# Altium PCB NFC-Reader.PcbDoc (part 2 of 3) (continued)
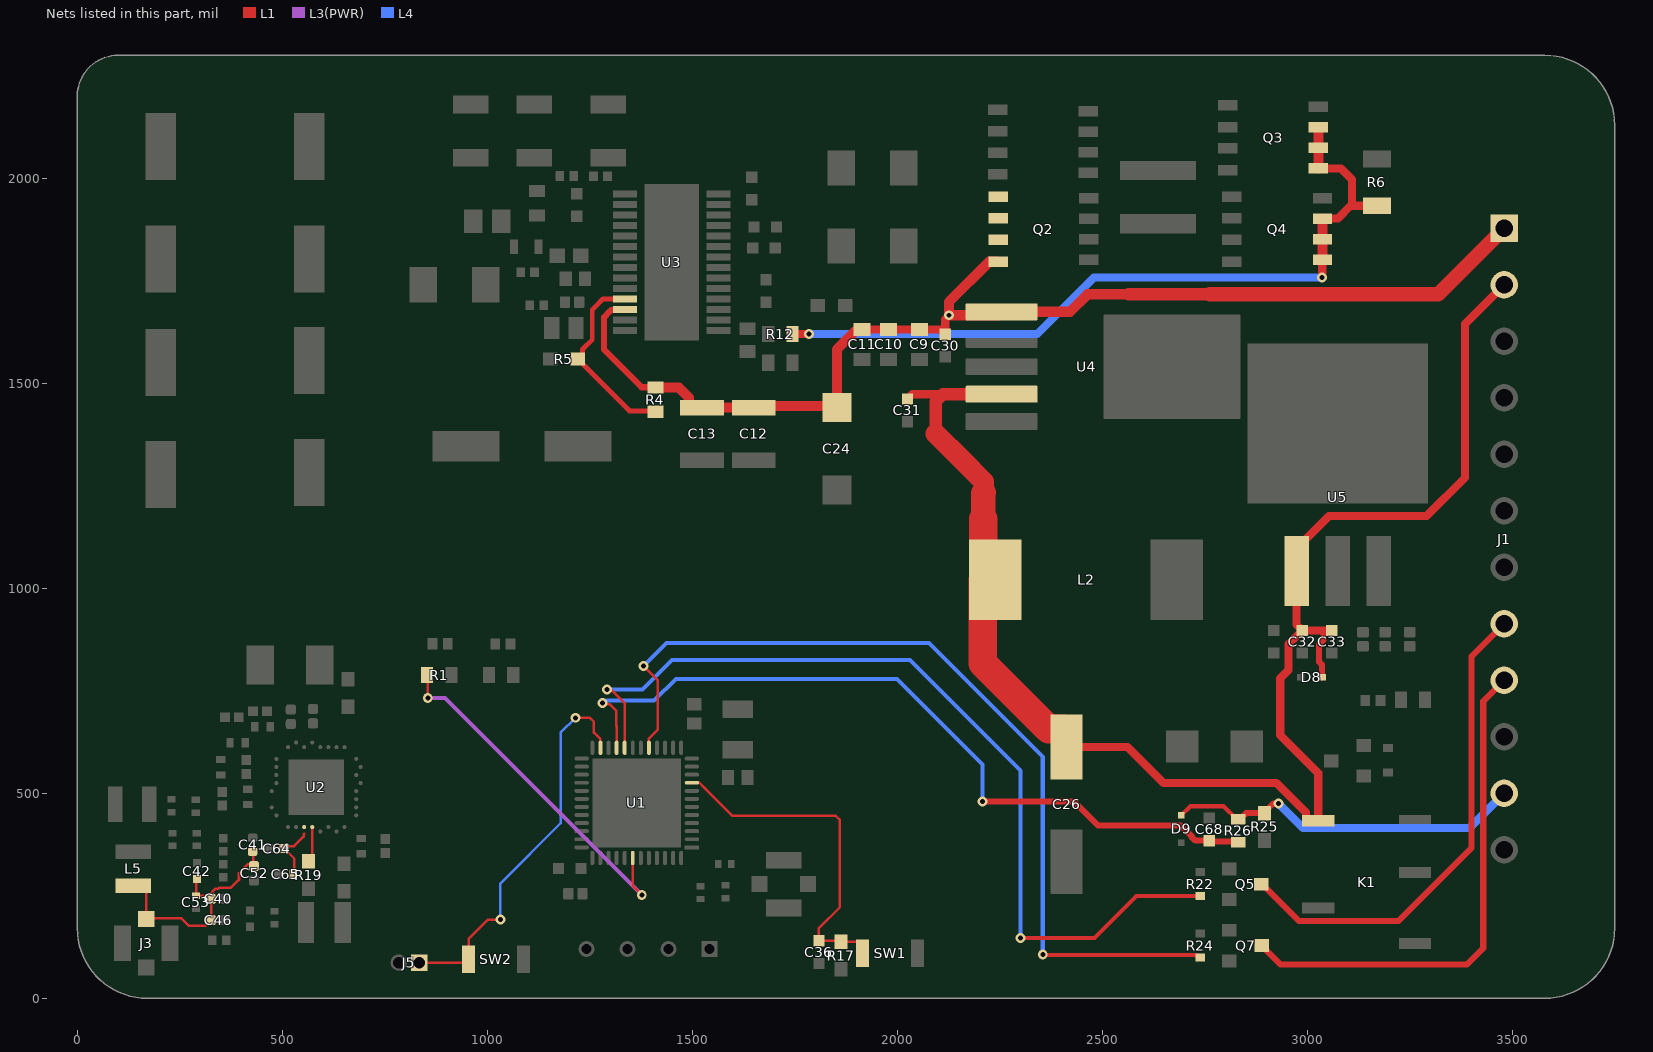
[diagram p4: the nets of this part, all layers, seen from the top]
## Part data (continued)
C69 C70: library part C0603C220J5GACTU, "22 pF ±5% 50V Ceramic Capacitor C0G, NP0 0603 (1608 Metric)", Case Code (Imperial)=0603, Dielectric=C0G, Dielectric Material=Ceramic, LCSC PN=C2167297, Manufacturer=KEMET, Max Operating Temperature=125°C, Min Operating Temperature=-55°C, Temperature Coefficient=30ppm/°C, Tolerance=5%, Voltage=50V, Case/Package=0603, Category="Ceramic Capacitors", China RoHS=Compliant, ComponentLink1Description=https://datasheet.octopart.com:443/C0603C220J5GACTU-KEMET-datasheet-178132257.pdf?src-supplier=IHS, ComponentLink1URL=https://datasheet.octopart.com:443/C0603C220J5GACTU-KEMET-datasheet-178132257.pdf?src-supplier=IHS, ComponentLink2Description=https://datasheet.octopart.com:443/C0603C220J5GAC7867-KEMET-datasheet-184792853.pdf?src-supplier=IHS, ComponentLink2URL=https://datasheet.octopart.com:443/C0603C220J5GAC7867-KEMET-datasheet-184792853.pdf?src-supplier=IHS, ComponentLink3Description=https://datasheet.octopart.com:443/C0603C220J5GACTU-KEMET-datasheet-68331921.pdf?src-supplier=Upverter, ComponentLink3URL=https://datasheet.octopart.com:443/C0603C220J5GACTU-KEMET-datasheet-68331921.pdf?src-supplier=Upverter, ComponentLink4Description=https://datasheet.octopart.com:443/C0603C220J5GACTU-KEMET-datasheet-137357764.pdf?src-supplier=Upverter, ComponentLink4URL=https://datasheet.octopart.com:443/C0603C220J5GACTU-KEMET-datasheet-137357764.pdf?src-supplier=Upverter, ComponentLink5Description=https://datasheet.octopart.com:443/C0603C220J5GACTU-Kemet-datasheet-5314449.pdf?src-supplier=Newark, ComponentLink5URL=https://datasheet.octopart.com:443/C0603C220J5GACTU-Kemet-datasheet-5314449.pdf?src-supplier=Newark, ComponentLink6Description=https://datasheet.octopart.com:443/C0603C220J5GACTU-Kemet-datasheet-10282724.pdf?src-supplier=Newark, ComponentLink6URL=https://datasheet.octopart.com:443/C0603C220J5GACTU-Kemet-datasheet-10282724.pdf?src-supplier=Newark, ComponentLink7Description=https://datasheet.octopart.com:443/C0603C220J5GACTU-KEMET-datasheet-176142189.pdf?src-supplier=Newark, ComponentLink7URL=https://datasheet.octopart.com:443/C0603C220J5GACTU-KEMET-datasheet-176142189.pdf?src-supplier=Newark, ComponentLink8Description=https://datasheet.octopart.com:443/C0603C220J5GACTU-KEMET-datasheet-149521956.pdf?src-supplier=Farnell, ComponentLink8URL=https://datasheet.octopart.com:443/C0603C220J5GACTU-KEMET-datasheet-149521956.pdf?src-supplier=Farnell, ComponentLink9Description=https://datasheet.octopart.com:443/C0603C220J5GACTU-KEMET-datasheet-101575729.pdf?src-supplier=Farnell, ComponentLink9URL=https://datasheet.octopart.com:443/C0603C220J5GACTU-KEMET-datasheet-101575729.pdf?src-supplier=Farnell, ComponentLink10Description=https://datasheet.octopart.com:443/C0603C220J5GACTU-Kemet-datasheet-10540709.pdf?src-supplier=Farnell, ComponentLink10URL=https://datasheet.octopart.com:443/C0603C220J5GACTU-Kemet-datasheet-10540709.pdf?src-supplier=Farnell, ComponentLink11Description=https://datasheet.octopart.com:443/C0603C220J5GACTU-KEMET-datasheet-176142187.pdf?src-supplier=element14+APAC, ComponentLink11URL=https://datasheet.octopart.com:443/C0603C220J5GACTU-KEMET-datasheet-176142187.pdf?src-supplier=element14+APAC, ComponentLink12Description=https://datasheet.octopart.com:443/C0603C220J5GACTU-KEMET-datasheet-176142144.pdf?src-supplier=element14+APAC, ComponentLink12URL=https://datasheet.octopart.com:443/C0603C220J5GACTU-KEMET-datasheet-176142144.pdf?src-supplier=element14+APAC, ComponentLink13Description=https://datasheet.octopart.com:443/C0603C220J5GACTU-Kemet-datasheet-22084244.pdf?src-supplier=element14+APAC, ComponentLink13URL=https://datasheet.octopart.com:443/C0603C220J5GACTU-Kemet-datasheet-22084244.pdf?src-supplier=element14+APAC, ComponentLink14Description=https://datasheet.octopart.com:443/C0603C220J5GACTU-Kemet-datasheet-48952580.pdf?src-supplier=element14+APAC, ComponentLink14URL=https://datasheet.octopart.com:443/C0603C220J5GACTU-Kemet-datasheet-48952580.pdf?src-supplier=element14+APAC, ComponentLink15Description=https://datasheet.octopart.com:443/C0603C220J5GACTU-KEMET-datasheet-157246123.pdf?src-supplier=Electro+Sonic, ComponentLink15URL=https://datasheet.octopart.com:443/C0603C220J5GACTU-KEMET-datasheet-157246123.pdf?src-supplier=Electro+Sonic, ComponentLink16Description=https://datasheet.octopart.com:443/C0603C220J5GACTU-KEMET-datasheet-41232428.pdf?src-supplier=Electro+Sonic, ComponentLink16URL=https://datasheet.octopart.com:443/C0603C220J5GACTU-KEMET-datasheet-41232428.pdf?src-supplier=Electro+Sonic, ComponentLink17Description=https://datasheet.octopart.com:443/C0603C220J5GACTU-KEMET-datasheet-96931677.pdf?src-supplier=TME, ComponentLink17URL=https://datasheet.octopart.com:443/C0603C220J5GACTU-KEMET-datasheet-96931677.pdf?src-supplier=TME, ComponentLink18Description=https://datasheet.octopart.com/C0603C220J5GACTU-KEMET-datasheet-84169754.pdf, ComponentLink18URL=https://datasheet.octopart.com/C0603C220J5GACTU-KEMET-datasheet-84169754.pdf, ComponentLink19Description=https://datasheet.octopart.com:443/C0603C220J5GAC7867-KEMET-datasheet-164857143.pdf?src-supplier=Burklin+Elektronik, ComponentLink19URL=https://datasheet.octopart.com:443/C0603C220J5GAC7867-KEMET-datasheet-164857143.pdf?src-supplier=Burklin+Elektronik, ComponentLink20Description=https://datasheet.octopart.com:443/C0603C220J5GAC-TU-Kemet-datasheet-7278821.pdf?src-supplier=Jameco, ComponentLink20URL=https://datasheet.octopart.com:443/C0603C220J5GAC-TU-Kemet-datasheet-7278821.pdf?src-supplier=Jameco, ComponentLink21Description=https://datasheet.octopart.com:443/C0603C220J5GACTU-Kemet-datasheet-464.pdf?src-supplier=RS+(Formerly+Allied+Electronics), ComponentLink21URL=https://datasheet.octopart.com:443/C0603C220J5GACTU-Kemet-datasheet-464.pdf?src-supplier=RS+(Formerly+Allied+Electronics), Contact Material=Tin, Depth=800µm, Height=800µm, Lead Free="Lead Free", Length=1.6mm, Lifecycle Status=Production, Manufacturer Part Number=C0603C220J5GACTU, Material=Ceramic, Mounting Technology="Surface Mount", Number of Terminals=2, Pins=2, Pricing="1=0.12, 10=0.069, 50=0.0476, 100=0.0413, 500=0.03068, 1000=0.0274, 4000=0.02251, 8000=0.01825, 12000=0.01762, 20000=0.0175, 28000=0.01691, 40000=0.01684, 48000=0.0168, 96000=0.01646, 100000=0.01642 (USD)", Radiation Hardening=No, REACH SVHC=Yes, RoHS=Compliant, Schedule B="8532240020, 8532240020|8532240020, 8532240020|8532240020|8532240020, 8532240020|8532240020|8532240020|8532240020", Stock=154784, Supplier=DigiKey, Termination=SMD/SMT, Thickness=863.6µm, Voltage Rating=50V, Voltage Rating (DC)=50V, Weight=2.012816mg, Width=800µm
D1: library part VLMB1500-GS08, "Blue 472nm LED Indication - Discrete 2.8V 0402 (1005 Metric)", Ambient Temperature Range High=80°C, Case Code (Imperial)=0402, Case Code (Metric)=1005, Color=Blue, Forward Current=20mA, Forward Voltage=3.15V, LCSC PN=C511042, Lens Color=Clear, Manufacturer=Vishay, Max Power Dissipation=76mW, Min Operating Temperature=-30°C, Power Rating=75mW, Reverse Voltage=5V, Test Current=5mA, Case/Package=0402, Category=LEDs, ComponentLink1Description=https://datasheet.octopart.com:443/VLMB1500-GS08-Vishay-datasheet-181477802.pdf?src-supplier=IHS, ComponentLink1URL=https://datasheet.octopart.com:443/VLMB1500-GS08-Vishay-datasheet-181477802.pdf?src-supplier=IHS, ComponentLink2Description=https://datasheet.octopart.com:443/VLMB1500-GS08-Vishay-datasheet-21227148.pdf?src-supplier=element14+APAC, ComponentLink2URL=https://datasheet.octopart.com:443/VLMB1500-GS08-Vishay-datasheet-21227148.pdf?src-supplier=element14+APAC, ComponentLink3Description=https://datasheet.octopart.com:443/VLMB1500-GS08-Vishay-datasheet-78835484.pdf?src-supplier=element14+APAC, ComponentLink3URL=https://datasheet.octopart.com:443/VLMB1500-GS08-Vishay-datasheet-78835484.pdf?src-supplier=element14+APAC, ComponentLink4Description=https://datasheet.octopart.com:443/VLMB1500-GS08-Vishay-datasheet-33014519.pdf?src-supplier=element14+APAC, ComponentLink4URL=https://datasheet.octopart.com:443/VLMB1500-GS08-Vishay-datasheet-33014519.pdf?src-supplier=element14+APAC, ComponentLink5Description=https://datasheet.octopart.com:443/VLMB1500-GS08-Vishay-datasheet-102762782.pdf?src-supplier=Upverter, ComponentLink5URL=https://datasheet.octopart.com:443/VLMB1500-GS08-Vishay-datasheet-102762782.pdf?src-supplier=Upverter, ComponentLink6Description=https://datasheet.octopart.com:443/VLMB1500-GS08-Vishay-datasheet-82289476.pdf?src-supplier=TME, ComponentLink6URL=https://datasheet.octopart.com:443/VLMB1500-GS08-Vishay-datasheet-82289476.pdf?src-supplier=TME, ComponentLink7Description=https://datasheet.octopart.com:443/VLMB1500-GS08-Vishay-datasheet-62332426.pdf?src-supplier=Newark, ComponentLink7URL=https://datasheet.octopart.com:443/VLMB1500-GS08-Vishay-datasheet-62332426.pdf?src-supplier=Newark, ComponentLink8Description=http://sigma.octopart.com:80/rohs_statement/Vishay-company-15.pdf?src-supplier=Compliance+Statements, ComponentLink8URL=http://sigma.octopart.com:80/rohs_statement/Vishay-company-15.pdf?src-supplier=Compliance+Statements, Contact Plating=Tin, Depth=500µm, Dominant Wavelength=470nm, Height=350µm, Illumination Color=Blue, Lead Free="Lead Free", Length=1mm, Lens Style=Rectangular, Lifecycle Status=Production, Luminous Intensity=11.2mcd, Manufacturer Part Number=VLMB1500-GS08, Max Operating Temperature=80°C, Mounting Technology="Surface Mount", Number of Circuits=1, Number of Elements=1, Number of LEDs=1, Number of Terminals=2, Packaging="Cut Tape", Peak Wavelength=468nm, Pins=2, Power Dissipation=76mW, Pricing="1=0.27, 10=0.184, 100=0.1293, 500=0.10424, 1000=0.09596 (USD)", Radiation Hardening=No, REACH SVHC=Yes, RoHS=Compliant, Schedule B="8541402000, 8541402000|8541402000|8541402000|8541402000|8541402000", Shape=Rectangular, Stock=220164, Supplier=DigiKey, Terminal Pitch=675µm, Viewing Angle=130°, Wavelength=472nm, Width=500µm
D2: library part VLMS1500-GS08, "Red 631nm LED Indication - Discrete 2V 0402 (1005 Metric)", Case Code (Imperial)=0402, Case Code (Metric)=1005, Color=Red, Forward Current=30mA, Forward Voltage=2.4V, LCSC Part Number=C511370, Manufacturer=Vishay, Max Operating Temperature=85°C, Min Operating Temperature=-30°C, Power Rating=75mW, Reverse Voltage=5V, Test Current=20mA, Case/Package=0402, Category=LEDs, ComponentLink1Description=https://datasheet.octopart.com:443/VLMS1500-GS08-Vishay-datasheet-181477802.pdf?src-supplier=IHS, ComponentLink1URL=https://datasheet.octopart.com:443/VLMS1500-GS08-Vishay-datasheet-181477802.pdf?src-supplier=IHS, ComponentLink2Description=https://datasheet.octopart.com:443/VLMS1500-GS08-Vishay-datasheet-21227148.pdf?src-supplier=Future+Electronics, ComponentLink2URL=https://datasheet.octopart.com:443/VLMS1500-GS08-Vishay-datasheet-21227148.pdf?src-supplier=Future+Electronics, ComponentLink3Description=https://datasheet.octopart.com:443/VLMS1500-GS08-Vishay-datasheet-102762782.pdf?src-supplier=Future+Electronics, ComponentLink3URL=https://datasheet.octopart.com:443/VLMS1500-GS08-Vishay-datasheet-102762782.pdf?src-supplier=Future+Electronics, ComponentLink4Description=https://datasheet.octopart.com:443/VLMS1500-GS08-Vishay-datasheet-33014519.pdf?src-supplier=element14+APAC, ComponentLink4URL=https://datasheet.octopart.com:443/VLMS1500-GS08-Vishay-datasheet-33014519.pdf?src-supplier=element14+APAC, ComponentLink5Description=https://datasheet.octopart.com:443/VLMS1500-GS08-Vishay-datasheet-68326145.pdf?src-supplier=TME, ComponentLink5URL=https://datasheet.octopart.com:443/VLMS1500-GS08-Vishay-datasheet-68326145.pdf?src-supplier=TME, ComponentLink6Description=https://datasheet.octopart.com:443/VLMS1500-GS08-Vishay-Siliconix-datasheet-62309867.pdf?src-supplier=RS+(Formerly+Allied+Electronics), ComponentLink6URL=https://datasheet.octopart.com:443/VLMS1500-GS08-Vishay-Siliconix-datasheet-62309867.pdf?src-supplier=RS+(Formerly+Allied+Electronics), ComponentLink7Description=https://datasheet.octopart.com:443/VLMS1500-GS08-Vishay-datasheet-62332426.pdf?src-supplier=Newark, ComponentLink7URL=https://datasheet.octopart.com:443/VLMS1500-GS08-Vishay-datasheet-62332426.pdf?src-supplier=Newark, ComponentLink8Description=https://datasheet.octopart.com/VLMS1500-GS08-Vishay-datasheet-16093911.pdf, ComponentLink8URL=https://datasheet.octopart.com/VLMS1500-GS08-Vishay-datasheet-16093911.pdf, ComponentLink9Description=http://sigma.octopart.com:80/rohs_statement/Vishay-company-15.pdf?src-supplier=Compliance+Statements, ComponentLink9URL=http://sigma.octopart.com:80/rohs_statement/Vishay-company-15.pdf?src-supplier=Compliance+Statements, Dominant Wavelength=631nm, Height=350µm, Illumination Color=Red, Lead Free="Lead Free", Length=1mm, Lens Style="Rectangular, Square", Lifecycle Status=Production, Luminous Intensity=18mcd, Manufacturer Part Number=VLMS1500-GS08, Mounting Technology="Surface Mount", Number of Circuits=1, Number of LEDs=1, Number of Terminals=2, Packaging="Cut Tape", Peak Wavelength=631nm, Pins=2, Pricing="1=0.24, 10=0.164, 100=0.1147, 500=0.09218, 1000=0.0847 (USD)", Radiation Hardening=No, REACH SVHC=Yes, RoHS=Compliant, Schedule B="8541402000, 8541402000|8541402000|8541402000|8541402000|8541402000", Shape=Rectangular, Supplier=DigiKey, Terminal Pitch=675µm, Viewing Angle=130°, Wavelength=631nm, Width=500µm
D3: library part VLMG1500-GS08, "Yellow-Green 571nm LED Indication - Discrete 2V 0402 (1005 Metric)", Ambient Temperature Range High=85°C, Case Code (Imperial)=0402, Case Code (Metric)=1005, Color="Green, Yellow", Forward Current=30mA, Forward Voltage=2.4V, Illumination Color=Green, LCSC Part Number=C511404, Lens Color=Clear, Manufacturer=Vishay, Min Operating Temperature=-30°C, Power Dissipation=75mW, Reverse Voltage=5V, Test Current=20mA, Case/Package=0402, Category=LEDs, ComponentLink1Description=https://datasheet.octopart.com:443/VLMG1500-GS08-Vishay-datasheet-181477802.pdf?src-supplier=IHS, ComponentLink1URL=https://datasheet.octopart.com:443/VLMG1500-GS08-Vishay-datasheet-181477802.pdf?src-supplier=IHS, ComponentLink2Description=https://datasheet.octopart.com:443/VLMG1500-GS08-Vishay-datasheet-21227148.pdf?src-supplier=element14+APAC, ComponentLink2URL=https://datasheet.octopart.com:443/VLMG1500-GS08-Vishay-datasheet-21227148.pdf?src-supplier=element14+APAC, ComponentLink3Description=https://datasheet.octopart.com:443/VLMG1500-GS08-Vishay-datasheet-33014519.pdf?src-supplier=element14+APAC, ComponentLink3URL=https://datasheet.octopart.com:443/VLMG1500-GS08-Vishay-datasheet-33014519.pdf?src-supplier=element14+APAC, ComponentLink4Description=https://datasheet.octopart.com:443/VLMG1500-GS08-Vishay-datasheet-62332426.pdf?src-supplier=Newark, ComponentLink4URL=https://datasheet.octopart.com:443/VLMG1500-GS08-Vishay-datasheet-62332426.pdf?src-supplier=Newark, ComponentLink5Description=https://datasheet.octopart.com:443/VLMG1500-GS08-Vishay-datasheet-102762782.pdf?src-supplier=Future+Electronics, ComponentLink5URL=https://datasheet.octopart.com:443/VLMG1500-GS08-Vishay-datasheet-102762782.pdf?src-supplier=Future+Electronics, ComponentLink6Description=https://datasheet.octopart.com:443/VLMG1500-GS08-Vishay-datasheet-68326145.pdf?src-supplier=TME, ComponentLink6URL=https://datasheet.octopart.com:443/VLMG1500-GS08-Vishay-datasheet-68326145.pdf?src-supplier=TME, ComponentLink7Description=http://sigma.octopart.com:80/rohs_statement/Vishay-company-15.pdf?src-supplier=Compliance+Statements, ComponentLink7URL=http://sigma.octopart.com:80/rohs_statement/Vishay-company-15.pdf?src-supplier=Compliance+Statements, Depth=500µm, Dominant Wavelength=571nm, Height=350µm, Lead Free="Lead Free", Length=1mm, Lens Style=Rectangular, Lifecycle Status=Production, Luminous Intensity=18mcd, Manufacturer Part Number=VLMG1500-GS08, Max Operating Temperature=85°C, Mounting Technology="Surface Mount", Number of Circuits=1, Number of Elements=1, Number of LEDs=1, Number of Terminals=2, Packaging="Cut Tape", Peak Wavelength=571nm, Pins=2, Power Rating=75mW, Pricing="1=0.24, 10=0.164, 100=0.1147, 500=0.09218, 1000=0.0847 (USD)", Radiation Hardening=No, REACH SVHC=Yes, RoHS=Compliant, Schedule B="8541402000, 8541402000|8541402000|8541402000|8541402000|8541402000", Shape=Rectangular, Stock=250894, Supplier=DigiKey, Terminal Pitch=675µm, Viewing Angle=130°, Wavelength=571nm, Width=500µm
D4 D5 D6: "Rectifier Diode Schottky 100V 1A 2-Pin SMB T/R / DIODE SCHOTTKY 100V 1A SMB", Average Rectified Current=1A, Case/Package=SMB, LCSC PN=C468041, Manufacturer=Vishay, Max Forward Surge Current (Ifsm)=38A, Max Junction Temperature (Tj)=175°C, Max Repetitive Reverse Voltage (Vrrm)=100V, Min Operating Temperature=-55°C, Peak Non-Repetitive Surge Current=780A, Peak Reverse Current=500µA, Category="Schottky Diodes", ComponentLink1Description=https://datasheet.octopart.com:443/VS-10BQ100-M3-5BT-Vishay-datasheet-178520333.pdf?src-supplier=Newark, ComponentLink1URL=https://datasheet.octopart.com:443/VS-10BQ100-M3-5BT-Vishay-datasheet-178520333.pdf?src-supplier=Newark, ComponentLink2Description=https://sigma.octopart.com:443/138898532/technical_drawing/Vishay-VS-10BQ100-M3-5BT.pdf?src-supplier=Upverter, ComponentLink2URL=https://sigma.octopart.com:443/138898532/technical_drawing/Vishay-VS-10BQ100-M3-5BT.pdf?src-supplier=Upverter, ComponentLink3Description=https://datasheet.octopart.com:443/VS-10BQ100-M3-5BT-Vishay-datasheet-67698555.pdf?src-supplier=element14+APAC, ComponentLink3URL=https://datasheet.octopart.com:443/VS-10BQ100-M3-5BT-Vishay-datasheet-67698555.pdf?src-supplier=element14+APAC, ComponentLink4Description=https://datasheet.octopart.com:443/VS-10BQ100-M3-5BT-Vishay-datasheet-137894626.pdf?src-supplier=Future+Electronics, ComponentLink4URL=https://datasheet.octopart.com:443/VS-10BQ100-M3-5BT-Vishay-datasheet-137894626.pdf?src-supplier=Future+Electronics, ComponentLink5Description=https://datasheet.octopart.com:443/VS-10BQ100-M3-5BT-Vishay-datasheet-39729334.pdf?src-supplier=Future+Electronics, ComponentLink5URL=https://datasheet.octopart.com:443/VS-10BQ100-M3-5BT-Vishay-datasheet-39729334.pdf?src-supplier=Future+Electronics, ComponentLink6Description=https://datasheet.octopart.com:443/VS-10BQ100-M3-5BT-Vishay-Dale-datasheet-111086972.pdf?src-supplier=RS+(Formerly+Allied+Electronics), ComponentLink6URL=https://datasheet.octopart.com:443/VS-10BQ100-M3-5BT-Vishay-Dale-datasheet-111086972.pdf?src-supplier=RS+(Formerly+Allied+Electronics), ComponentLink7Description=https://datasheet.octopart.com:443/VS-10BQ100-M3-5BT-Vishay-datasheet-42673636.pdf?src-supplier=TME, ComponentLink7URL=https://datasheet.octopart.com:443/VS-10BQ100-M3-5BT-Vishay-datasheet-42673636.pdf?src-supplier=TME, ComponentLink8Description=http://sigma.octopart.com:80/rohs_statement/Vishay-company-15.pdf?src-supplier=Compliance+Statements, ComponentLink8URL=http://sigma.octopart.com:80/rohs_statement/Vishay-company-15.pdf?src-supplier=Compliance+Statements, Element Configuration=Single, Forward Current=1A, Height=2.44mm, Lead Free="Lead Free", Length=4.7mm, Lifecycle Status=Production, Manufacturer Part Number=VS-10BQ100-M3/5BT, Max Operating Temperature=175°C, Max Reverse Voltage (DC)=100V, Mounting Technology="Surface Mount", Number of Elements=1, Number of Terminals=2, Pins=2, Pricing="1=0.38, 10=0.284, 100=0.2258, 500=0.17026, 1000=0.14915 (USD)", REACH SVHC=No, Reverse Standoff Voltage=100V, Reverse Voltage=100V, RoHS=Compliant, Schedule B="8541100080, 8541100080|8541100080|8541100080|8541100080|8541100080", Stock=33815, Supplier=DigiKey, Width=3.8mm
D7: "Diode; Schottky Barrier; Vr 40V; If 3A; Pkg SMA; Vf 0.45V; Tj +150degc; Cs 100A; Ir 15mA", Average Rectified Current=3A, Case/Package=SMA, Forward Voltage=450mV, LCSC PN=C26178, Manufacturer=onsemi, Manufacturer Lifecycle Status=ACTIVE, Max Forward Surge Current (Ifsm)=100A, Max Junction Temperature (Tj)=150°C, Max Repetitive Reverse Voltage (Vrrm)=40V, Min Operating Temperature=-55°C, Peak Reverse Current=300µA, Category="Schottky Diodes", China RoHS=Non-Compliant, ComponentLink1Description=https://datasheet.octopart.com:443/MBRA340T3G-ON-Semiconductor-datasheet-623523.pdf?src-supplier=Master+Electronics, ComponentLink1URL=https://datasheet.octopart.com:443/MBRA340T3G-ON-Semiconductor-datasheet-623523.pdf?src-supplier=Master+Electronics, ComponentLink2Description=https://datasheet.octopart.com:443/MBRA340T3G-ON-Semiconductor-datasheet-141916657.pdf?src-supplier=Upverter, ComponentLink2URL=https://datasheet.octopart.com:443/MBRA340T3G-ON-Semiconductor-datasheet-141916657.pdf?src-supplier=Upverter, ComponentLink3Description=https://datasheet.octopart.com:443/MBRA340T3G-onsemi-datasheet-180961701.pdf?src-supplier=IHS, ComponentLink3URL=https://datasheet.octopart.com:443/MBRA340T3G-onsemi-datasheet-180961701.pdf?src-supplier=IHS, ComponentLink4Description=https://datasheet.octopart.com:443/MBRA340T3G-ON-Semiconductor-datasheet-139011791.pdf?src-supplier=onsemi, ComponentLink4URL=https://datasheet.octopart.com:443/MBRA340T3G-ON-Semiconductor-datasheet-139011791.pdf?src-supplier=onsemi, ComponentLink5Description=https://datasheet.octopart.com:443/MBRA340T3G-ON-Semiconductor-datasheet-21210960.pdf?src-supplier=Newark, ComponentLink5URL=https://datasheet.octopart.com:443/MBRA340T3G-ON-Semiconductor-datasheet-21210960.pdf?src-supplier=Newark, ComponentLink6Description=https://datasheet.octopart.com:443/MBRA340T3G-ON-Semiconductor-datasheet-11724913.pdf?src-supplier=Newark, ComponentLink6URL=https://datasheet.octopart.com:443/MBRA340T3G-ON-Semiconductor-datasheet-11724913.pdf?src-supplier=Newark, ComponentLink7Description=https://datasheet.octopart.com:443/MBRA340T3G.-onsemi-datasheet-184397938.pdf?src-supplier=Newark, ComponentLink7URL=https://datasheet.octopart.com:443/MBRA340T3G.-onsemi-datasheet-184397938.pdf?src-supplier=Newark, ComponentLink8Description=https://datasheet.octopart.com:443/MBRA340T3G-onsemi-datasheet-180967052.pdf?src-supplier=Farnell, ComponentLink8URL=https://datasheet.octopart.com:443/MBRA340T3G-onsemi-datasheet-180967052.pdf?src-supplier=Farnell, ComponentLink9Description=https://datasheet.octopart.com:443/MBRA340T3G-ON-Semiconductor-datasheet-7627526.pdf?src-supplier=Farnell, ComponentLink9URL=https://datasheet.octopart.com:443/MBRA340T3G-ON-Semiconductor-datasheet-7627526.pdf?src-supplier=Farnell, ComponentLink10Description=https://datasheet.octopart.com:443/MBRA340T3G-ON-Semiconductor-datasheet-14054808.pdf?src-supplier=iiiC, ComponentLink10URL=https://datasheet.octopart.com:443/MBRA340T3G-ON-Semiconductor-datasheet-14054808.pdf?src-supplier=iiiC, ComponentLink11Description=https://datasheet.octopart.com:443/MBRA340T3G-ON-Semiconductor-datasheet-9706899.pdf?src-supplier=RS+(Formerly+Allied+Electronics), ComponentLink11URL=https://datasheet.octopart.com:443/MBRA340T3G-ON-Semiconductor-datasheet-9706899.pdf?src-supplier=RS+(Formerly+Allied+Electronics), ComponentLink12Description=http://sigma.octopart.com:80/15540786/rohs_certificate/ON-Semiconductor-MBRA340T3G.pdf?src-supplier=Compliance+Statements, ComponentLink12URL=http://sigma.octopart.com:80/15540786/rohs_certificate/ON-Semiconductor-MBRA340T3G.pdf?src-supplier=Compliance+Statements, ComponentLink13Description=http://sigma.octopart.com:80/15677621/materials_sheet/ON-Semiconductor-MBRA340T3G.csv?src-supplier=Compliance+Statements, ComponentLink13URL=http://sigma.octopart.com:80/15677621/materials_sheet/ON-Semiconductor-MBRA340T3G.csv?src-supplier=Compliance+Statements, ComponentLink14Description=http://sigma.octopart.com:80/150614152/rohs_statement/ON-Semiconductor-MBRA340T3G.pdf?src-supplier=Compliance+Statements, ComponentLink14URL=http://sigma.octopart.com:80/150614152/rohs_statement/ON-Semiconductor-MBRA340T3G.pdf?src-supplier=Compliance+Statements, ComponentLink15Description=http://sigma.octopart.com:80/reach_statement/ON-Semiconductor-company-79.pdf?src-supplier=Compliance+Statements, ComponentLink15URL=http://sigma.octopart.com:80/reach_statement/ON-Semiconductor-company-79.pdf?src-supplier=Compliance+Statements, ComponentLink16Description=https://octopart.com:443/opatz8j6/c1?t=zzn-QeKWnUTIoInBBQPnq2-KsBHceJK6K3Di68oXKNRROh1yObwrhIfgiObG-wqoALwLVjTjSHmYplZjCeWn-q8HVpW_q2F8JFKJqslmK1ptKZFGgWhiNTjCk-X3F1oiCxuNacxFjO0GuM-e28TQqjTQ5gDglIyA9DiWDXs9_UD5t2jlYsyT0X_N6D3As7ewWxw82up4uMZrz57LDgjWgjShyOLNEPJgVYRYhs_nhtEi-aeewe94t8zG-fVSA0SK1baPOhdicFNVV1nRPYknrO_IJ2AVTt3JuNz5Rux_5Ji3UfZsPwlPyX2eF8yjwkYgfgWinTURtYyAI9fkAiCLBUZamGpUFuLxlfvL&src-supplier=Compliance+Statements, ComponentLink16URL=https://octopart.com:443/opatz8j6/c1?t=zzn-QeKWnUTIoInBBQPnq2-KsBHceJK6K3Di68oXKNRROh1yObwrhIfgiObG-wqoALwLVjTjSHmYplZjCeWn-q8HVpW_q2F8JFKJqslmK1ptKZFGgWhiNTjCk-X3F1oiCxuNacxFjO0GuM-e28TQqjTQ5gDglIyA9DiWDXs9_UD5t2jlYsyT0X_N6D3As7ewWxw82up4uMZrz57LDgjWgjShyOLNEPJgVYRYhs_nhtEi-aeewe94t8zG-fVSA0SK1baPOhdicFNVV1nRPYknrO_IJ2AVTt3JuNz5Rux_5Ji3UfZsPwlPyX2eF8yjwkYgfgWinTURtYyAI9fkAiCLBUZamGpUFuLxlfvL&src-supplier=Compliance+Statements, ComponentLink17Description=https://octopart.com:443/opatz8j6/c1?t=NJ8a6hvi7xfiMo7vANJq_qq5CwgiSOMZ50FoGwFbdVP4ZYU8l2yzsihL5d3PYwPSnveb6yOwPbFEklAt98_r0GPlS3SH0en-PzaQ4UJ87X-8SUKCS_jgwdOPTTlwC48N3JBxqteYaPYTYi_MWY_tr-8i0sZ6qVdPF2LoDUWuM_HCXvNlLxr-CuaxZkYPpSF7SojnQnnv5iJsrRNMU3w9C2QjPL7Dn52RqoX7ulzDwYIbX4FC71ya5r_8oyAS221O1yOsg23BvQOD9XPEKD_2ywml0mHj-wzm5xxtgYeWvmyBCaeMd406MBzdLevzYMOAcnTG_zam_3et1Hn15cynFImq-tcBB7RajZQ4FQ&src-supplier=Compliance+Statements, ComponentLink17URL=https://octopart.com:443/opatz8j6/c1?t=NJ8a6hvi7xfiMo7vANJq_qq5CwgiSOMZ50FoGwFbdVP4ZYU8l2yzsihL5d3PYwPSnveb6yOwPbFEklAt98_r0GPlS3SH0en-PzaQ4UJ87X-8SUKCS_jgwdOPTTlwC48N3JBxqteYaPYTYi_MWY_tr-8i0sZ6qVdPF2LoDUWuM_HCXvNlLxr-CuaxZkYPpSF7SojnQnnv5iJsrRNMU3w9C2QjPL7Dn52RqoX7ulzDwYIbX4FC71ya5r_8oyAS221O1yOsg23BvQOD9XPEKD_2ywml0mHj-wzm5xxtgYeWvmyBCaeMd406MBzdLevzYMOAcnTG_zam_3et1Hn15cynFImq-tcBB7RajZQ4FQ&src-supplier=Compliance+Statements, Current Rating=3A, Element Configuration=Single, Forward Current=3A, Halogen Free="Halogen Free", Height=2.2mm, Lead Free="Lead Free", Length=4.32mm, Lifecycle Status=Production, Manufacturer Part Number=MBRA340T3G, Max Operating Temperature=150°C, Max Output current=3A, Max Reverse Voltage (DC)=40V, Number of Elements=1, Number of Terminals=2, Output Current=3A, Packaging="Tape and Reel", Peak Non-Repetitive Surge Current=100A, Pins=2, Polarity=Standard, Pricing="1=0.88, 10=0.548, 100=0.3555, 500=0.2726, 1000=0.24585, 2000=0.22334, 5000=0.19897, 10000=0.1839, 15000=0.17623, 25000=0.168 (USD)", Radiation Hardening=No, REACH SVHC=No, Reverse Standoff Voltage=40V, Reverse Voltage=40V, RoHS=Compliant, Schedule B=8541100080, Stock=140782, Supplier=DigiKey, Voltage Rating (DC)=40V, Width=2.6mm
D8: "Diode 75 V 200mA Surface Mount SOD-523F", Average Rectified Current=200mA, Forward Current=300mA, Forward Voltage=720mV, LCSC PN=C896167, Manufacturer=onsemi, Manufacturer Lifecycle Status=ACTIVE, Max Junction Temperature (Tj)=150°C, Max Output current=150mA, Max Power Dissipation=200mW, Max Repetitive Reverse Voltage (Vrrm)=75V, Max Reverse Leakage Current=5µA, Min Operating Temperature=-55°C, Reverse Voltage=100V, Category="Rectifier Diodes", China RoHS=Compliant, ComponentLink1Description=https://datasheet.octopart.com:443/1N914BWT-ON-Semiconductor-datasheet-137236191.pdf?src-supplier=Master+Electronics, ComponentLink1URL=https://datasheet.octopart.com:443/1N914BWT-ON-Semiconductor-datasheet-137236191.pdf?src-supplier=Master+Electronics, ComponentLink2Description=https://sigma.octopart.com:443/138897313/technical_drawing/ON-Semiconductor-1N914BWT.pdf?src-supplier=Upverter, ComponentLink2URL=https://sigma.octopart.com:443/138897313/technical_drawing/ON-Semiconductor-1N914BWT.pdf?src-supplier=Upverter, ComponentLink3Description=https://datasheet.octopart.com:443/1N914BWT-ON-Semiconductor-datasheet-8641207.pdf?src-supplier=IHS, ComponentLink3URL=https://datasheet.octopart.com:443/1N914BWT-ON-Semiconductor-datasheet-8641207.pdf?src-supplier=IHS, ComponentLink4Description=https://datasheet.octopart.com:443/1N914BWT-onsemi-datasheet-181265884.pdf?src-supplier=IHS, ComponentLink4URL=https://datasheet.octopart.com:443/1N914BWT-onsemi-datasheet-181265884.pdf?src-supplier=IHS, ComponentLink5Description=https://datasheet.octopart.com:443/1N914BWT-ON-Semiconductor-datasheet-85393215.pdf?src-supplier=onsemi, ComponentLink5URL=https://datasheet.octopart.com:443/1N914BWT-ON-Semiconductor-datasheet-85393215.pdf?src-supplier=onsemi, ComponentLink6Description=https://datasheet.octopart.com:443/1N914BWT-ON-Semiconductor-datasheet-86684494.pdf?src-supplier=onsemi, ComponentLink6URL=https://datasheet.octopart.com:443/1N914BWT-ON-Semiconductor-datasheet-86684494.pdf?src-supplier=onsemi, ComponentLink7Description=https://datasheet.octopart.com:443/1N914BWT-ON-Semiconductor-datasheet-86681974.pdf?src-supplier=element14+APAC, ComponentLink7URL=https://datasheet.octopart.com:443/1N914BWT-ON-Semiconductor-datasheet-86681974.pdf?src-supplier=element14+APAC, ComponentLink8Description=https://datasheet.octopart.com:443/1N914BWT-Fairchild-datasheet-597795.pdf?src-supplier=Future+Electronics, ComponentLink8URL=https://datasheet.octopart.com:443/1N914BWT-Fairchild-datasheet-597795.pdf?src-supplier=Future+Electronics, ComponentLink9Description=https://sigma.octopart.com:443/17343427/technical_drawing/Fairchild-Semiconductor-1N914BWT.pdf?src-supplier=Fairchild+Semiconductor, ComponentLink9URL=https://sigma.octopart.com:443/17343427/technical_drawing/Fairchild-Semiconductor-1N914BWT.pdf?src-supplier=Fairchild+Semiconductor, ComponentLink10Description=https://datasheet.octopart.com:443/1N914BWT-Fairchild-Semiconductor-datasheet-67878665.pdf?src-supplier=Farnell, ComponentLink10URL=https://datasheet.octopart.com:443/1N914BWT-Fairchild-Semiconductor-datasheet-67878665.pdf?src-supplier=Farnell, ComponentLink11Description=https://datasheet.octopart.com:443/1N914BWT-Fairchild-Semiconductor-datasheet-68649996.pdf?src-supplier=Farnell, ComponentLink11URL=https://datasheet.octopart.com:443/1N914BWT-Fairchild-Semiconductor-datasheet-68649996.pdf?src-supplier=Farnell, ComponentLink12Description=https://datasheet.octopart.com:443/1N914BWT-Fairchild-Semiconductor-datasheet-78857206.pdf?src-supplier=Farnell, ComponentLink12URL=https://datasheet.octopart.com:443/1N914BWT-Fairchild-Semiconductor-datasheet-78857206.pdf?src-supplier=Farnell, ComponentLink13Description=https://datasheet.octopart.com:443/1N914BWT-Fairchild-Semiconductor-datasheet-67909706.pdf?src-supplier=Newark, ComponentLink13URL=https://datasheet.octopart.com:443/1N914BWT-Fairchild-Semiconductor-datasheet-67909706.pdf?src-supplier=Newark, ComponentLink14Description=https://datasheet.octopart.com:443/1N914BWT-Fairchild-Semiconductor-datasheet-68364971.pdf?src-supplier=Newark, ComponentLink14URL=https://datasheet.octopart.com:443/1N914BWT-Fairchild-Semiconductor-datasheet-68364971.pdf?src-supplier=Newark, ComponentLink15Description=https://datasheet.octopart.com:443/1N914BWT-Fairchild-Semiconductor-datasheet-71421042.pdf?src-supplier=Newark, ComponentLink15URL=https://datasheet.octopart.com:443/1N914BWT-Fairchild-Semiconductor-datasheet-71421042.pdf?src-supplier=Newark, ComponentLink16Description=http://sigma.octopart.com:80/150599636/rohs_statement/ON-Semiconductor-1N914BWT.pdf?src-supplier=Compliance+Statements, ComponentLink16URL=http://sigma.octopart.com:80/150599636/rohs_statement/ON-Semiconductor-1N914BWT.pdf?src-supplier=Compliance+Statements, ComponentLink17Description=http://sigma.octopart.com:80/17343722/reach_statement/Fairchild-Semiconductor-1N914BWT.pdf?src-supplier=Compliance+Statements, ComponentLink17URL=http://sigma.octopart.com:80/17343722/reach_statement/Fairchild-Semiconductor-1N914BWT.pdf?src-supplier=Compliance+Statements, ComponentLink18Description=http://sigma.octopart.com:80/17343723/materials_sheet/Fairchild-Semiconductor-1N914BWT.pdf?src-supplier=Compliance+Statements, ComponentLink18URL=http://sigma.octopart.com:80/17343723/materials_sheet/Fairchild-Semiconductor-1N914BWT.pdf?src-supplier=Compliance+Statements, ComponentLink19Description=http://sigma.octopart.com:80/33033631/reach_statement/Fairchild-Semiconductor-1N914BWT.pdf?src-supplier=Compliance+Statements, ComponentLink19URL=http://sigma.octopart.com:80/33033631/reach_statement/Fairchild-Semiconductor-1N914BWT.pdf?src-supplier=Compliance+Statements, ComponentLink20Description=http://sigma.octopart.com:80/33033633/materials_sheet/Fairchild-Semiconductor-1N914BWT.pdf?src-supplier=Compliance+Statements, ComponentLink20URL=http://sigma.octopart.com:80/33033633/materials_sheet/Fairchild-Semiconductor-1N914BWT.pdf?src-supplier=Compliance+Statements, ComponentLink21Description=http://sigma.octopart.com:80/reach_statement/ON-Semiconductor-company-79.pdf?src-supplier=Compliance+Statements, ComponentLink21URL=http://sigma.octopart.com:80/reach_statement/ON-Semiconductor-company-79.pdf?src-supplier=Compliance+Statements, ComponentLink22Description=http://sigma.octopart.com:80/reach_statement/Fairchild-Semiconductor-company-9.pdf?src-supplier=Compliance+Statements, ComponentLink22URL=http://sigma.octopart.com:80/reach_statement/Fairchild-Semiconductor-company-9.pdf?src-supplier=Compliance+Statements, ComponentLink23Description=http://sigma.octopart.com:80/rohs_statement/Fairchild-Semiconductor-company-10.pdf?src-supplier=Compliance+Statements, ComponentLink23URL=http://sigma.octopart.com:80/rohs_statement/Fairchild-Semiconductor-company-10.pdf?src-supplier=Compliance+Statements, ComponentLink24Description=http://sigma.octopart.com:80/rohs_statement/Fairchild-Semiconductor-company-11.pdf?src-supplier=Compliance+Statements, ComponentLink24URL=http://sigma.octopart.com:80/rohs_statement/Fairchild-Semiconductor-company-11.pdf?src-supplier=Compliance+Statements, ComponentLink25Description=https://octopart.com:443/opatz8j6/c1?t=2WqiEKOw8wqArRZqPpvR85ynHt7ZzVk2cO10dLGm-R0uzi761TwnKGd8G704mGlWt5NrywDr0KiccpzbdVN0vLD60p8HUNozkBvJah_YtAF0qkz_YdCTpuTRvpRRGRHvTs5MnoSWnaWLNMk8GsWHB5GOWZxEGL76QI-UHf2VYZrxGgdInPPAHzx67g23p6ag1zMjOvdQ_KO0sLW1YCbP87miLJ-xuglZHSzMiJPSla-JOyFE5O4L_wVOcXuUuW9Nq80bDDjFIEvXv_yLg6OaI31d8ivh4qXBzQAE5bOv_0EkyUSKc6N_Bvj2gIrePwDtp1ZIMUr8bvv7xrz_Ey9Bd0_sQCggic841Ck&src-supplier=Compliance+Statements, ComponentLink25URL=https://octopart.com:443/opatz8j6/c1?t=2WqiEKOw8wqArRZqPpvR85ynHt7ZzVk2cO10dLGm-R0uzi761TwnKGd8G704mGlWt5NrywDr0KiccpzbdVN0vLD60p8HUNozkBvJah_YtAF0qkz_YdCTpuTRvpRRGRHvTs5MnoSWnaWLNMk8GsWHB5GOWZxEGL76QI-UHf2VYZrxGgdInPPAHzx67g23p6ag1zMjOvdQ_KO0sLW1YCbP87miLJ-xuglZHSzMiJPSla-JOyFE5O4L_wVOcXuUuW9Nq80bDDjFIEvXv_yLg6OaI31d8ivh4qXBzQAE5bOv_0EkyUSKc6N_Bvj2gIrePwDtp1ZIMUr8bvv7xrz_Ey9Bd0_sQCggic841Ck&src-supplier=Compliance+Statements, ComponentLink26Description=https://octopart.com:443/opatz8j6/c1?t=RaqNgoITNyWOJnQ6Vh5XIuzQpAbr0CmMJXnszeBW8MsXPXzYAlD6RDR-K-xNy0bOoPbUZIWRPJiazHjtXn9auSuHtYVzaYiY_-4ACrRiEunSg5ftXbk51fnzLHl-pnx-xENRGEoc0sVQC3sW6At9uQOqTuvKnbOKqBSmNHH-_AM452Vbz-1SYlG8b9doSGgNLF68ZLSsI2Xi9YbSWNoCRNsA0utVy25_kYVX52Ab7j5ee_hVQPYkWwgdnH6jdHziL8hQDhpeIfaPz7mxVfqPvCOhRP-Nv0lQS1TZTbPLcILF8nRMY4HoGGGhnPru0GeEwc_xKGUtBaA48gLnW1nYBzFXwEvRb-b_FPUG&src-supplier=Compliance+Statements, ComponentLink26URL=https://octopart.com:443/opatz8j6/c1?t=RaqNgoITNyWOJnQ6Vh5XIuzQpAbr0CmMJXnszeBW8MsXPXzYAlD6RDR-K-xNy0bOoPbUZIWRPJiazHjtXn9auSuHtYVzaYiY_-4ACrRiEunSg5ftXbk51fnzLHl-pnx-xENRGEoc0sVQC3sW6At9uQOqTuvKnbOKqBSmNHH-_AM452Vbz-1SYlG8b9doSGgNLF68ZLSsI2Xi9YbSWNoCRNsA0utVy25_kYVX52Ab7j5ee_hVQPYkWwgdnH6jdHziL8hQDhpeIfaPz7mxVfqPvCOhRP-Nv0lQS1TZTbPLcILF8nRMY4HoGGGhnPru0GeEwc_xKGUtBaA48gLnW1nYBzFXwEvRb-b_FPUG&src-supplier=Compliance+Statements, Contact Plating=Tin, Element Configuration=Single, Height=700µm, Lead Free="Lead Free", Lifecycle Status=Production, Manufacturer Part Number=1N914BWT, Max Operating Temperature=150°C, Max Reverse Voltage (DC)=75V, Mounting Technology="Surface Mount", Number of Elements=1, Number of Terminals=2, Peak Reverse Current=5µA, Pins=2, Power Dissipation=200mW, Pricing="1=0.1, 10=0.049, 100=0.0485, 500=0.038, 1000=0.03306, 2000=0.03258 (USD)", Radiation Hardening=No, REACH SVHC=Yes, Recovery Time=4ns, Reverse Recovery Time=4ns, Reverse Standoff Voltage=75V, RoHS=Compliant, Schedule B="8541100070, 8541100070|8541100070|8541100070|8541100070|8541100070", Stock=477421, Supplier=DigiKey, Weight=10mg
D9: "14.5V (Typ) Clamp 5.5A (8/20µs) Ipp Tvs Diode Surface Mount PG-SC79-2-1", Breakdown Voltage=6.6V, Case/Package=SC, Clamping Voltage=14.5V, LCSC PN=C1974016, Manufacturer=Infineon, Max Breakdown Voltage=7.5V, Max Operating Temperature=125°C, Min Breakdown Voltage=5.7V, Min Operating Temperature=-55°C, Peak Pulse Current=5.5A, Peak Pulse Power=66W, Peak Reverse Current=100nA, Power Line Protection=No, Reverse Standoff Voltage=3.3V, Working Voltage=5V, Category="TVS Diodes", China RoHS=Compliant, ComponentLink1Description=https://datasheet.octopart.com:443/ESD5V0S1U02VH6327XTSA1-Infineon-datasheet-21383649.pdf?src-supplier=element14+APAC, ComponentLink1URL=https://datasheet.octopart.com:443/ESD5V0S1U02VH6327XTSA1-Infineon-datasheet-21383649.pdf?src-supplier=element14+APAC, ComponentLink2Description=http://sigma.octopart.com:80/conflict_mineral_statement/Infineon-company-51.pdf?src-supplier=Compliance+Statements, ComponentLink2URL=http://sigma.octopart.com:80/conflict_mineral_statement/Infineon-company-51.pdf?src-supplier=Compliance+Statements, Composition=Zener, Depth=800µm, Direction=Unidirectional, Element Configuration=Single, Halogen Free="Halogen Free", Height=590µm, Lead Free="Lead Free", Length=1.2mm, Lifecycle Status=EOL, Manufacturer Part Number=ESD5V0S1U02VH6327XTSA1, Mounting Technology="Surface Mount", Number of Channels=1, Number of Elements=1, Number of Terminals=2, Number of Unidirectional Channels=1, Packaging="Tape & Reel (TR)", Pins=2, Polarity=Unidirectional, Pricing="1=0.2, 10=0.129, 100=0.091, 3000=0.068, 6000=0.067, 9000=0.066 (USD)", Radiation Hardening=No, REACH SVHC=Yes, RoHS=Compliant, Schedule B="8536300000, 8536300000|8536300000|8536300000|8536300000|8536300000", Stock=42298, Supplier=DigiKey
J1: "12 Position Wire to Board Terminal Block Horizontal with Board 0.138\" (3.50mm) Through Hole", Color=Green, Current=13.5A, Current Rating=10A, Flammability Rating="UL94 V-0", LCSC PN=C6651535, Manufacturer="Phoenix Contact", Max Current Rating=12A, Max Supply Voltage=160V, Voltage=300V, Approvals="CB, UL, cUL", Category="Terminal Blocks", China RoHS=Compliant, ComponentLink1Description=https://datasheet.octopart.com:443/1751345-Phoenix-Contact-datasheet-181077025.pdf?src-supplier=IHS, ComponentLink1URL=https://datasheet.octopart.com:443/1751345-Phoenix-Contact-datasheet-181077025.pdf?src-supplier=IHS, ComponentLink2Description=https://datasheet.octopart.com:443/1751345-Phoenix-Contact-datasheet-86450921.pdf?src-supplier=Farnell, ComponentLink2URL=https://datasheet.octopart.com:443/1751345-Phoenix-Contact-datasheet-86450921.pdf?src-supplier=Farnell, ComponentLink3Description=https://datasheet.octopart.com:443/MKDS-1-12-3%2C5-Phoenix-Contact-datasheet-42256239.pdf?src-supplier=element14+APAC, ComponentLink3URL=https://datasheet.octopart.com:443/MKDS-1-12-3%2C5-Phoenix-Contact-datasheet-42256239.pdf?src-supplier=element14+APAC, ComponentLink4Description=https://datasheet.octopart.com:443/1751345-Phoenix-Contact-datasheet-154779214.pdf?src-supplier=Electro+Sonic, ComponentLink4URL=https://datasheet.octopart.com:443/1751345-Phoenix-Contact-datasheet-154779214.pdf?src-supplier=Electro+Sonic, ComponentLink5Description=https://datasheet.octopart.com:443/1751345-Phoenix-Contact-datasheet-177325489.pdf?src-supplier=Burklin+Elektronik, ComponentLink5URL=https://datasheet.octopart.com:443/1751345-Phoenix-Contact-datasheet-177325489.pdf?src-supplier=Burklin+Elektronik, ComponentLink6Description=https://datasheet.octopart.com:443/1751345-Phoenix-Contact-datasheet-62122524.pdf?src-supplier=RS+(Formerly+Allied+Electronics), ComponentLink6URL=https://datasheet.octopart.com:443/1751345-Phoenix-Contact-datasheet-62122524.pdf?src-supplier=RS+(Formerly+Allied+Electronics), ComponentLink7Description=https://datasheet.octopart.com:443/1751345-Phoenix-Contact-datasheet-9939319.pdf?src-supplier=RS+(Formerly+Allied+Electronics), ComponentLink7URL=https://datasheet.octopart.com:443/1751345-Phoenix-Contact-datasheet-9939319.pdf?src-supplier=RS+(Formerly+Allied+Electronics), ComponentLink8Description=https://datasheet.octopart.com:443/1751345-Phoenix-Contact-datasheet-68130.pdf?src-supplier=RS+(Formerly+Allied+Electronics), ComponentLink8URL=https://datasheet.octopart.com:443/1751345-Phoenix-Contact-datasheet-68130.pdf?src-supplier=RS+(Formerly+Allied+Electronics), ComponentLink9Description=https://datasheet.octopart.com:443/1751345-Phoenix-Contact-datasheet-33465275.pdf?src-supplier=MRO+Stop, ComponentLink9URL=https://datasheet.octopart.com:443/1751345-Phoenix-Contact-datasheet-33465275.pdf?src-supplier=MRO+Stop, ComponentLink10Description=https://datasheet.octopart.com:443/1751345-Phoenix-Contact-datasheet-11783629.pdf?src-supplier=Arrow+Electronics, ComponentLink10URL=https://datasheet.octopart.com:443/1751345-Phoenix-Contact-datasheet-11783629.pdf?src-supplier=Arrow+Electronics, Connector Type=Screw, Contact Material=Tin, Depth=7.3mm, Gender=Male, Height=12mm, Housing Color=Green, Housing Material=Polyamide, Insulation Material=Nylon, Lead Free="Lead Free", Length=42.5mm, Lifecycle Status=Production, Manufacturer Part Number=1751345, Material=Polyamide, Mounting Technology=Screw, Number of Circuits=12, Number of Contacts=12, Number of Levels=1, Number of Poles=12, Number of Positions=12, Number of Positions Per Level=12, Number of Rows=1, Orientation=Straight, Pins=12, Pitch=3.5mm, Pricing="1=7.67, 10=6.066 (USD)", Radiation Hardening=No, REACH SVHC=Yes, RoHS=Compliant, Stock=579, Stripping Length=5mm, Supplier=DigiKey, Termination=Screw, Voltage Rating=160V, Weight=6.200012g, Width=7.3mm, Wire Gauge (Max)=26AWG, Wire Gauge (Min)=16AWG, Wire/Cable Gauge=16AWG
J2 J3: "U.FL (UMCC) ANTENNA Connector Receptacle, Male Pin 50 Ohms Surface Mount Solder", Clock Frequency=6GHz, Contact Resistance=25mΩ, Dielectric Material="Liquid Crystal Polymer", Insulation Resistance=100MΩ, LCSC PN=C434806, Manufacturer=Molex, Manufacturer Lifecycle Status=ACTIVE, Max Operating Temperature=90°C, Min Operating Temperature=-40°C, Voltage Rating=60V, Body Material="Liquid Crystal Polymer, Polymer", Body Plating=Gold, Category="RF / Coaxial Connectors", China RoHS=Compliant, ComponentLink1Description=https://datasheet.octopart.com:443/73412-0110-Molex-datasheet-180780342.pdf?src-supplier=IHS, ComponentLink1URL=https://datasheet.octopart.com:443/73412-0110-Molex-datasheet-180780342.pdf?src-supplier=IHS, ComponentLink2Description=https://datasheet.octopart.com:443/73412-0110-Molex-datasheet-13797444.pdf?src-supplier=Molex, ComponentLink2URL=https://datasheet.octopart.com:443/73412-0110-Molex-datasheet-13797444.pdf?src-supplier=Molex, ComponentLink3Description=https://datasheet.octopart.com:443/73412-0110-Molex-datasheet-12565081.pdf?src-supplier=Upverter, ComponentLink3URL=https://datasheet.octopart.com:443/73412-0110-Molex-datasheet-12565081.pdf?src-supplier=Upverter, ComponentLink4Description=https://datasheet.octopart.com:443/73412-0110-Molex-datasheet-8545995.pdf?src-supplier=Upverter, ComponentLink4URL=https://datasheet.octopart.com:443/73412-0110-Molex-datasheet-8545995.pdf?src-supplier=Upverter, ComponentLink5Description=https://datasheet.octopart.com:443/73412-0110-Molex-datasheet-154758340.pdf?src-supplier=Master+Electronics, ComponentLink5URL=https://datasheet.octopart.com:443/73412-0110-Molex-datasheet-154758340.pdf?src-supplier=Master+Electronics, ComponentLink6Description=https://datasheet.octopart.com:443/73412-0110-Molex-datasheet-101583680.pdf?src-supplier=Farnell, ComponentLink6URL=https://datasheet.octopart.com:443/73412-0110-Molex-datasheet-101583680.pdf?src-supplier=Farnell, ComponentLink7Description=https://datasheet.octopart.com:443/73412-0110-Molex-datasheet-11536961.pdf?src-supplier=Farnell, ComponentLink7URL=https://datasheet.octopart.com:443/73412-0110-Molex-datasheet-11536961.pdf?src-supplier=Farnell, ComponentLink8Description=https://datasheet.octopart.com:443/73412-0110-Molex-datasheet-11046821.pdf?src-supplier=Farnell, ComponentLink8URL=https://datasheet.octopart.com:443/73412-0110-Molex-datasheet-11046821.pdf?src-supplier=Farnell, ComponentLink9Description=https://datasheet.octopart.com:443/73412-0110-Molex-datasheet-540048.pdf?src-supplier=Farnell, ComponentLink9URL=https://datasheet.octopart.com:443/73412-0110-Molex-datasheet-540048.pdf?src-supplier=Farnell, ComponentLink10Description=https://datasheet.octopart.com:443/73412-0110-Molex-datasheet-27085815.pdf?src-supplier=Electro+Sonic, ComponentLink10URL=https://datasheet.octopart.com:443/73412-0110-Molex-datasheet-27085815.pdf?src-supplier=Electro+Sonic, ComponentLink11Description=https://datasheet.octopart.com:443/73412-0110-Molex-datasheet-44403139.pdf?src-supplier=Electro+Sonic, ComponentLink11URL=https://datasheet.octopart.com:443/73412-0110-Molex-datasheet-44403139.pdf?src-supplier=Electro+Sonic, ComponentLink12Description=https://datasheet.octopart.com:443/73412-0110-Molex-datasheet-188909867.pdf?src-supplier=TME, ComponentLink12URL=https://datasheet.octopart.com:443/73412-0110-Molex-datasheet-188909867.pdf?src-supplier=TME, ComponentLink13Description=https://datasheet.octopart.com:443/73412-0110-Molex-datasheet-45012700.pdf?src-supplier=TME, ComponentLink13URL=https://datasheet.octopart.com:443/73412-0110-Molex-datasheet-45012700.pdf?src-supplier=TME, ComponentLink14Description=https://datasheet.octopart.com:443/73412-0110-Molex-datasheet-140187864.pdf?src-supplier=RS+(Formerly+Allied+Electronics), ComponentLink14URL=https://datasheet.octopart.com:443/73412-0110-Molex-datasheet-140187864.pdf?src-supplier=RS+(Formerly+Allied+Electronics), ComponentLink15Description=https://datasheet.octopart.com:443/73412-0110-Molex-datasheet-120156196.pdf?src-supplier=RS+(Formerly+Allied+Electronics), ComponentLink15URL=https://datasheet.octopart.com:443/73412-0110-Molex-datasheet-120156196.pdf?src-supplier=RS+(Formerly+Allied+Electronics), ComponentLink16Description=https://datasheet.octopart.com:443/73412-0110-Molex-datasheet-34442373.pdf?src-supplier=RS+(Formerly+Allied+Electronics), ComponentLink16URL=https://datasheet.octopart.com:443/73412-0110-Molex-datasheet-34442373.pdf?src-supplier=RS+(Formerly+Allied+Electronics), ComponentLink17Description=https://datasheet.octopart.com:443/734120110-Molex-datasheet-137316104.pdf?src-supplier=Future+Electronics, ComponentLink17URL=https://datasheet.octopart.com:443/734120110-Molex-datasheet-137316104.pdf?src-supplier=Future+Electronics, ComponentLink18Description=https://datasheet.octopart.com:443/73412-0110-Molex-datasheet-33004214.pdf?src-supplier=Newark, ComponentLink18URL=https://datasheet.octopart.com:443/73412-0110-Molex-datasheet-33004214.pdf?src-supplier=Newark, ComponentLink19Description=https://datasheet.octopart.com:443/73412-0110-Molex-datasheet-33004213.pdf?src-supplier=Newark, ComponentLink19URL=https://datasheet.octopart.com:443/73412-0110-Molex-datasheet-33004213.pdf?src-supplier=Newark, ComponentLink20Description=http://sigma.octopart.com:80/16441449/rohs_statement/Molex-734120110.pdf?src-supplier=Compliance+Statements, ComponentLink20URL=http://sigma.octopart.com:80/16441449/rohs_statement/Molex-734120110.pdf?src-supplier=Compliance+Statements, ComponentLink21Description=http://sigma.octopart.com:80/conflict_mineral_statement/Molex-company-72.pdf?src-supplier=Compliance+Statements, ComponentLink21URL=http://sigma.octopart.com:80/conflict_mineral_statement/Molex-company-72.pdf?src-supplier=Compliance+Statements, ComponentLink22Description=http://sigma.octopart.com:80/rohs_statement/Molex-company-73.pdf?src-supplier=Compliance+Statements, ComponentLink22URL=http://sigma.octopart.com:80/rohs_statement/Molex-company-73.pdf?src-supplier=Compliance+Statements, ComponentLink23Description=http://sigma.octopart.com:80/reach_statement/Molex-company-74.pdf?src-supplier=Compliance+Statements, ComponentLink23URL=http://sigma.octopart.com:80/reach_statement/Molex-company-74.pdf?src-supplier=Compliance+Statements, Connector Type=Coaxial, Contact Gender=Female, Contact Material=Brass, Contact Plating=Gold, Country of Origin=US, Frequency=6GHz, Gender=Female, Halogen Free="Low Halogen", Height=1.25mm, Impedance=50Ω, Lead Free="Lead Free", Length=3mm, Lifecycle Status=Production, Manufacturer Part Number=73412-0110, Material=Bronze, Mounting Technology="Surface Mount", Number of Ports=1, Orientation=Straight, Packaging="Tape and Reel", Pins=1, Polarity=Standard, Pricing="1=0.8, 10=0.675, 25=0.6328, 50=0.6028, 100=0.5739, 250=0.53788, 500=0.5122, 1000=0.48774, 2500=0.4572, 5000=0.42867, 10000=0.40822, 15000=0.39672, 25000=0.38269 (USD)", Radiation Hardening=No, REACH SVHC=Yes, RoHS=Compliant, Stock=130802, Supplier=DigiKey, Termination=Solder, Voltage Rating (AC)=60V, Width=3mm